# Altium PCB cat.PcbDoc (part 1 of 3) (continued)
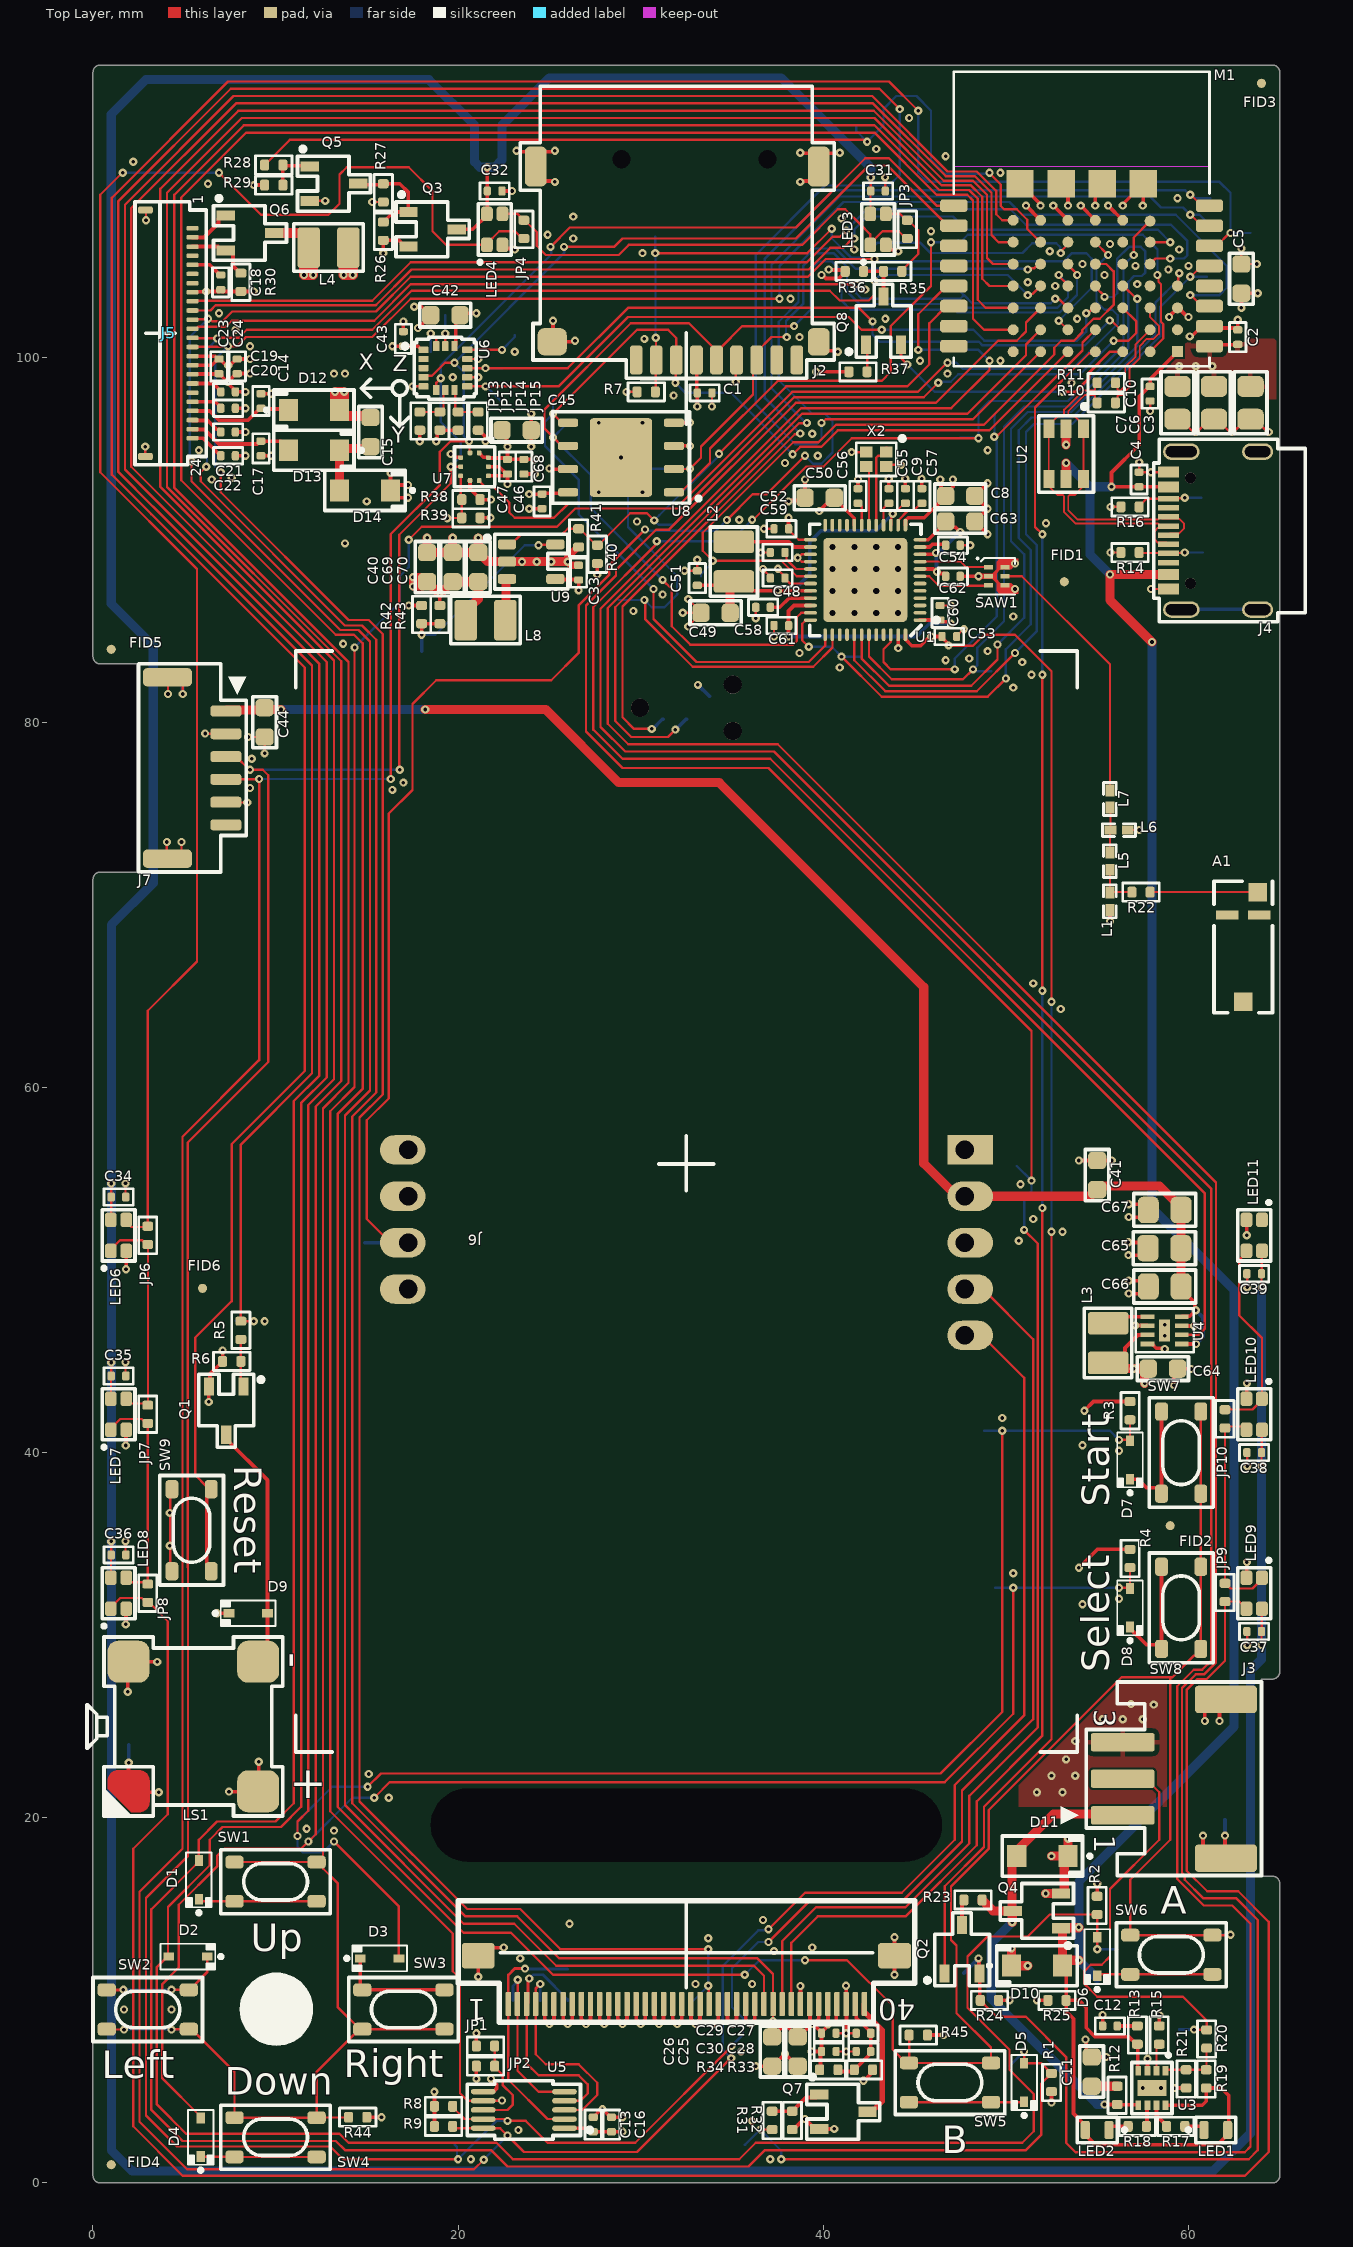
[diagram p0: Top Layer view]
## Footprints (in the part's own frame and the unit in brackets; to place one, negate y for a bottom-side part, rotate by r counter-clockwise, add the part's x,y. Pads: shape width x height; smd on the part's side, far side on the other; paste and mask are expansions set on the pad) (continued)
SON50P200X50_HS-9N [mm] "SON, 8-Leads, Body 2.00x2.00mm, Pitch 0.50mm, Thermal Pad 1.20x0.60mm, IPC Medium Density"
  rect 0.75x0.25 smd: 1(-0.94,0.75) 2(-0.94,0.25) 3(-0.94,-0.25) 4(-0.94,-0.75) 5(0.94,-0.75) 6(0.94,-0.25) 7(0.94,0.25) 8(0.94,0.75)
  rect 0.6x1.2 smd: EP(0,0)
  silkscreen extent -1.85,-1.2 1.59,1.2, body extent -1.03,-1.02 1.03,1.02, height 0.5
SON50P200X80_HS-9N [mm] "SON, 8-Leads, Body 2.00x2.00mm, Pitch 0.50mm, Thermal Pad 1.60x0.69mm, IPC Medium Density"
  rect 0.5x0.32 smd: 1(-0.945,0.75) 2(-0.945,0.25) 3(-0.945,-0.25) 4(-0.945,-0.75) 5(0.945,-0.75) 6(0.945,-0.25) 7(0.945,0.25) 8(0.945,0.75)
  rect 0.9x1.6 smd: EP(0,0)
  silkscreen extent -1.9,-1.1 1.4,1.1, body extent -1.05,-1.05 1.05,1.05, height 0.8
SOT95P280X110-6N [mm] "SOT23, 6-Leads, Body 2,90x2,80mm, Pitch 0,95mm, IPC Medium Density"
  rect 1x0.6 smd: 1(-1.375,0.95) 2(-1.375,0) 3(-1.375,-0.95) 4(1.375,-0.95) 5(1.375,0) 6(1.375,0.95)
  silkscreen extent -2.72,-1.5 2.1,1.5, body extent -0.88,-1.52 0.87,1.53, height 1.1
SOT95P280X115-3N [mm] "SOT23, 3-Leads, Body 2.92x2.80mm, Pitch 0.95mm, IPC Medium Density"
  rect 1x0.55 smd: 1(-1.325,0.95) 2(-1.325,-0.95) 3(1.325,0)
  silkscreen extent -2,-1.5 2,2.02, body extent -1.45,-1.49 1.45,1.49, height 1.15
SOT95P280X115-5N [mm] "SOT23, 5-Leads, Body 2.92x2.80mm, Pitch 0.95mm, IPC Medium Density"
  rrect50% 1x0.55 smd: 1(-1.325,0.95) 2(-1.325,0) 3(-1.325,-0.95) 4(1.325,-0.95) 5(1.325,0.95)
  silkscreen extent -2.52,-1.5 2,1.5, body extent -1.45,-1.49 1.45,1.49, height 1.15
TAG-Connect [mm] "Debug header"
  round 0.787 smd paste-1: 1(-1.27,-0.635) 2(-1.27,0.635) 3(0,-0.635) 4(0,0.635) 5(1.27,-0.635) 6(1.27,0.635)
  round 0.991 hole 0.991 unplated mask+0: ""(-2.54,0) ""(2.54,-1.27) ""(2.54,1.27)
test_point-1 [mm] "Test point"
  round 1 smd paste-1 mask+0: 1(0,0)
TF-115YY-BCP9 [mm] "Micro SD holder"
  rrect50% 0.7x1.6 smd: 1(2.25,6.5) 2(1.15,6.5) 3(0.05,6.5) 4(-1.05,6.5) 5(-2.15,6.5) 6(-3.25,6.5) 7(-4.35,6.5) 8(-5.45,6.5) CD(-6.55,6.5)
  rrect50% 1.2x1.5 smd: MP(-7.75,5.5)
  rrect50% 1.2x2.2 smd: MP(-7.75,-4.1) MP(7.75,-4.1)
  rrect50% 1.6x1.5 smd: MP(6.85,5.5)
  rrect50% 0x0 hole 1 unplated: ""(-4.95,-4.5) ""(3.05,-4.5)
  silkscreen extent -8.6,-8.5 8.6,7.5, body extent -8,-11.07 8.1,6.75, height 2.05
TSSOP50P490X112-10N [mm] "TSSOP, 10-Leads, Body 3.00x3.00mm, Pitch 0.50mm, IPC Medium Density"
  oval 1.35x0.3 smd: 1(-2.225,1) 2(-2.225,0.5) 3(-2.225,0) 4(-2.225,-0.5) 5(-2.225,-1) 6(2.225,-1) 7(2.225,-0.5) 8(2.225,0) 9(2.225,0.5) 10(2.225,1)
  silkscreen extent -3.73,-1.6 3.1,1.6, body extent -2.45,-1.55 2.45,1.55, height 1.12
USB_C_2.0_M12 [mm] "HRO M12/GCT 4105 USB-C 2.0 CONNECTOR"
  rect 0.6x1.14 smd: A1/B12(-3.2,3.5) A4/B9(-2.4,3.5) A9/B4(2.4,3.5) B1/A12(3.2,3.5)
  rect 0.3x1.14 smd: A5(-1.25,3.5) A6(-0.25,3.5) A7(0.25,3.5) A8(1.25,3.5) B5(1.75,3.5) B6(0.75,3.5) B7(-0.75,3.5) B8(-1.75,3.5)
  round 0.6 hole 0.6 unplated: MH(-2.89,2.29) MH(2.89,2.29)
  oval 0.9x1.7 hole 0.6 slot 1.4 at 90 deg: MP(-4.325,-1.39) MP(4.325,-1.39)
  oval 0.9x1.7 on Top Paste: MP(-4.325,-1.39) MP(4.325,-1.39)
  oval 0.9x2 hole 0.6 slot 1.7 at 90 deg: MP(-4.325,2.79) MP(4.325,2.79)
  oval 0.9x2 on Top Paste: MP(-4.325,2.79) MP(4.325,2.79)
  silkscreen extent -5,-4 5,4.3, body extent -4.48,-3.95 4.46,3.95, height 3.21
WDFN-8 [mm] "SON, 8-Leads, Body 6.00x5.00mm, Pitch 1.27mm, Thermal Pad 3.50x3.19mm, IPC Medium Density"
  rrect50% 1.1x0.45 smd: 1(-2.9,1.905) 2(-2.9,0.635) 3(-2.9,-0.635) 4(-2.9,-1.905) 5(2.9,-1.905) 6(2.9,-0.635) 7(2.9,0.635) 8(2.9,1.905)
  rrect10% 3.4x4.3 smd paste-2539.97: EP(0,0)
  silkscreen extent -4.3,-2.5 3.75,2.5, body extent -3,-2.5 3,2.5, height 0.81
XL-1615RGBC-WS2812B [mm] "RGB LED"
  rrect50% 0.8x0.65 smd: 1(-0.85,0.425) 2(0.85,0.425) 3(-0.85,-0.425) 4(0.85,-0.425)
  silkscreen extent -1.9,-0.9 1.4,0.9, body extent -0.8,-0.75 0.8,0.75, height 0.71

## Part data
A1: library part NN03-320, "Dual-Band GNSS and Wi-Fi/BluetoothAntenna", Manufacturer=Ignion, Part number IPS=N.A., Part number NEMS=100700066, Supplier Part Number 1=2115-NN03-320CT-ND, Artikkelnr Noca=N.A., Author=rubr, Component Class=Antennas, Component Status=Active, ComponentLink1Description=Datasheet, ComponentLink1URL=https://ignion.io/files/DS_NN03-320.pdf, ComponentLink2Description="Supplier link", ComponentLink2URL=https://ignion.io/product/duo-mxtend/, Footprint Doc=NN03-320, HelpURL=https://ignion.io/files/UM_NN03-320.pdf, LatestRevisionDate=2021-12-10, Manufacturer Part Number=NN03-320, Note=N.A., Pad Count=4, Part Number=NN03-320, Part number Norautron=N.A., PartId=100700066, Published=2023-01-31, Supplier 1=Digi-Key, Supplier 2=Mouser, Supplier Part Number 2=128-NN03-320
C1 C10 C16 C24 C27 C28 C29 C30 C31 C32 C34 C35 C36 C37 C38 C39 C43 C46 C47 C61 C62 C68: "100 nF, 25 V, X7R, 0402 Chip capacitor", Capacitance=100nF, Case Code (Imperial)=0402, Case Code (Metric)=1005, Dielectric=X7R, Dielectric Material=Ceramic, Manufacturer=Murata, Max Operating Temperature=125°C, Min Operating Temperature=-55°C, Package Quantity=10000, Supplier Part Number 1=490-10698-1-ND, Tolerance=10%, Voltage=25V, Case/Package=0402, Category="Ceramic Capacitors", ComponentLink1Description=http://www.farnell.com/datasheets/1872206.pdf?src-supplier=Farnell, ComponentLink1URL=http://www.farnell.com/datasheets/1872206.pdf?src-supplier=Farnell, ComponentLink2Description=http://components.arrow.com/part/dataview/0323_06361249?src-supplier=Arrow+Europe, ComponentLink2URL=http://components.arrow.com/part/dataview/0323_06361249?src-supplier=Arrow+Europe, ComponentLink3Description=http://uk.rs-online.com/webdocs/144c/0900766b8144c113.pdf?src-supplier=RSComponents, ComponentLink3URL=http://uk.rs-online.com/webdocs/144c/0900766b8144c113.pdf?src-supplier=RSComponents, ComponentLink4Description=http://www.farnell.com/datasheets/2048008.pdf?src-supplier=Farnell, ComponentLink4URL=http://www.farnell.com/datasheets/2048008.pdf?src-supplier=Farnell, ComponentLink5Description=http://www.mouser.com/ds/2/281/c02e-2905.pdf?src-supplier=Mouser, ComponentLink5URL=http://www.mouser.com/ds/2/281/c02e-2905.pdf?src-supplier=Mouser, ComponentLink6Description=http://www.farnell.com/datasheets/2048008.pdf?src-supplier=Newark, ComponentLink6URL=http://www.farnell.com/datasheets/2048008.pdf?src-supplier=Newark, ComponentLink7Description=https://search.murata.co.jp/Ceramy/image/img/A01X/G101/ENG/GRM155R71E104KE14-01.pdf?src-supplier=Digi-Key, ComponentLink7URL=https://search.murata.co.jp/Ceramy/image/img/A01X/G101/ENG/GRM155R71E104KE14-01.pdf?src-supplier=Digi-Key, ComponentLink8Description=http://www.farnell.com/datasheets/2048008.pdf?src-supplier=Element14, ComponentLink8URL=http://www.farnell.com/datasheets/2048008.pdf?src-supplier=Element14, ComponentLink9Description=http://psearch.en.murata.com/capacitor/product/GRM155R71E104KE14%23.pdf?src-supplier=Avnet, ComponentLink9URL=http://psearch.en.murata.com/capacitor/product/GRM155R71E104KE14%23.pdf?src-supplier=Avnet, Depth=0.5mm, Height=0.5mm, house_part_number=C-100nF-0402-002, Lead Free="Lead Free", Length=1mm, Manufacturer Part Number=GRM155R71E104KE14D, Mount="Surface Mount", Packaging="Tape and Reel", Pricing 1="1=0.10000, 10=0.02700, 50=0.01460, 100=0.01190, 500=0.00848, 1000=0.00666, 2500=0.00605, 5000=0.00557 (USD)", REACH SVHC=Unknown, Resistor Type=Ceramic, RoHS=Yes, RoHS Compliant=Yes, Supplier 1=Digi-Key, Termination=SMD/SMT, Thickness=0.022inch, Voltage Rating=25V, Voltage Rating (DC)=25V, Weight=0.000212oz, Width=0.02inch
C2 C4: "100 nF, 25 V, X7R, 0402 Chip capacitor", Capacitance=100nF, Case Code (Imperial)=0402, Case Code (Metric)=1005, Dielectric=X7R, Dielectric Material=Ceramic, Manufacturer=Murata, Max Operating Temperature=125°C, Min Operating Temperature=-55°C, Package Quantity=10000, Supplier Part Number 1=490-10698-1-ND, Tolerance=10%, Voltage Rating=25V, Case/Package=0402, Category="Ceramic Capacitors", ComponentLink1Description=http://www.farnell.com/datasheets/1872206.pdf?src-supplier=Farnell, ComponentLink1URL=http://www.farnell.com/datasheets/1872206.pdf?src-supplier=Farnell, ComponentLink2Description=http://components.arrow.com/part/dataview/0323_06361249?src-supplier=Arrow+Europe, ComponentLink2URL=http://components.arrow.com/part/dataview/0323_06361249?src-supplier=Arrow+Europe, ComponentLink3Description=http://uk.rs-online.com/webdocs/144c/0900766b8144c113.pdf?src-supplier=RSComponents, ComponentLink3URL=http://uk.rs-online.com/webdocs/144c/0900766b8144c113.pdf?src-supplier=RSComponents, ComponentLink4Description=http://www.farnell.com/datasheets/2048008.pdf?src-supplier=Farnell, ComponentLink4URL=http://www.farnell.com/datasheets/2048008.pdf?src-supplier=Farnell, ComponentLink5Description=http://www.mouser.com/ds/2/281/c02e-2905.pdf?src-supplier=Mouser, ComponentLink5URL=http://www.mouser.com/ds/2/281/c02e-2905.pdf?src-supplier=Mouser, ComponentLink6Description=http://www.farnell.com/datasheets/2048008.pdf?src-supplier=Newark, ComponentLink6URL=http://www.farnell.com/datasheets/2048008.pdf?src-supplier=Newark, ComponentLink7Description=https://search.murata.co.jp/Ceramy/image/img/A01X/G101/ENG/GRM155R71E104KE14-01.pdf?src-supplier=Digi-Key, ComponentLink7URL=https://search.murata.co.jp/Ceramy/image/img/A01X/G101/ENG/GRM155R71E104KE14-01.pdf?src-supplier=Digi-Key, ComponentLink8Description=http://www.farnell.com/datasheets/2048008.pdf?src-supplier=Element14, ComponentLink8URL=http://www.farnell.com/datasheets/2048008.pdf?src-supplier=Element14, ComponentLink9Description=http://psearch.en.murata.com/capacitor/product/GRM155R71E104KE14%23.pdf?src-supplier=Avnet, ComponentLink9URL=http://psearch.en.murata.com/capacitor/product/GRM155R71E104KE14%23.pdf?src-supplier=Avnet, Depth=0.5mm, Height=0.5mm, house_part_number=C-100nF-0402-002, Lead Free="Lead Free", Length=1mm, Manufacturer Part Number=GRM155R71E104KE14D, Mount="Surface Mount", Packaging="Tape and Reel", Pricing 1="1=0.10000, 10=0.02700, 50=0.01460, 100=0.01190, 500=0.00848, 1000=0.00666, 2500=0.00605, 5000=0.00557 (USD)", REACH SVHC=Unknown, Resistor Type=Ceramic, RoHS=Yes, RoHS Compliant=Yes, Supplier 1=Digi-Key, Termination=SMD/SMT, Thickness=0.022inch, Voltage Rating (DC)=25V, Weight=0.000212oz, Width=0.02inch
C3 C6 C7 C65 C66 C67: "22 μF, 25 V, X5R, 0805 Chip capacitor", Capacitor Type=Ceramic, Case/Package=0805, Manufacturer=Murata, Max Operating Temperature=85°C, Min Operating Temperature=-55°C, Package Shape=Rectangular, Rated DC Voltage (URdc)=25V, Supplier Part Number 1=490-12389-1-ND, Temperature Characteristics Code=X5R, Tolerance  (fill in as +-)=20%, Category="Ceramic Capacitors", ComponentLink1Description=https://datasheet.ciiva.com:443/pdfs/VipMasterIC/IC/MURE/MURE-S-A0004410517/MURE-S-A0004413512-1.pdf?src-supplier=IHS+Markit, ComponentLink1URL=https://datasheet.ciiva.com:443/pdfs/VipMasterIC/IC/MURE/MURE-S-A0004410517/MURE-S-A0004413512-1.pdf?src-supplier=IHS+Markit, ComponentLink2Description=http://search.murata.co.jp/Ceramy/image/img/A01X/G101/ENG/GRT21BR61E226ME13-01.pdf?src-supplier=Digi-Key, ComponentLink2URL=http://search.murata.co.jp/Ceramy/image/img/A01X/G101/ENG/GRT21BR61E226ME13-01.pdf?src-supplier=Digi-Key, Dielectric Material=Ceramic, JESD-609 Code=e3, Manufacturer Part Number=GRT21BR61E226ME13L, Mounting Technology="Surface Mount", Multilayer=Yes, Packaging="Tape and Reel", Pins=2, Pricing 1="1=0.48, 10=0.338, 50=0.2558, 100=0.2228, 500=0.16508, 1000=0.14031 (USD)", Reach SVHC Compliant=Yes, Reference Standard=AEC-Q200, RoHS=Yes, RoHS Compliant=Yes, Stock 1=1983731, Supplier 1=Digi-Key, Terminal Finish=Nickel, Termination=Wraparound, Tolerance (fill in as +-)=20%
C5 C11 C25 C26 C40 C41 C42 C44 C45 C69 C70: "10 µF, 25 V, X5R, 0603 Chip capacitor", Case Code (Imperial)=0603, Case Code (Metric)=1608, Manufacturer=Samsung, Max Operating Temperature=85°C, Min Operating Temperature=-55°C, Tolerance=20%, Voltage Rating=25V, Case/Package=0603, Category="Ceramic Capacitors", ComponentLink1Description=https://datasheet.ciiva.com/25766/cl10a106ma8nrnc-25766562.pdf?src-supplier=Digikey, ComponentLink1URL=https://datasheet.ciiva.com/25766/cl10a106ma8nrnc-25766562.pdf?src-supplier=Digikey, Height=900um, house_part_number=C-10uF-0603-002, Lead Free="Lead Free", Manufacturer Part Number=CL10A106MA8NRNC, Material=4241ConductorMaterial, Mounting Technology="Surface Mount", Packaging="Cut Tape", Pricing="4000=0.0511, 8000=0.046, 12000=0.0434, 28000=0.0413, 100000=0.0356 (USD)", RoHS=Yes, RoHS Compliant=Yes, Series=CL, Stock=632000, Supplier 1="Arrow Electronics", Supplier Part Number 1=CL10A106MA8NRNC
C8 C15 C49 C50 C63 C64: "4.7 μF, 25 V, X7R, 0603 Chip capacitor", Case Code (Imperial)=0603, Case Code (Metric)=1608, Dielectric=X5R, Dielectric Material=Ceramic, Manufacturer=TDK, Max Operating Temperature=85°C, Min Operating Temperature=-55°C, Package Quantity=4000, Supplier Part Number=445-9050-1-ND, Tolerance=10%, Voltage Rating=25V, Case/Package=0603, Category="Ceramic Capacitors", ComponentLink1Description=https://datasheet.ciiva.com/48671/mlcc-commercial-general-en-48671304.pdf?src-supplier=Avnet, ComponentLink1URL=https://datasheet.ciiva.com/48671/mlcc-commercial-general-en-48671304.pdf?src-supplier=Avnet, ComponentLink2Description=https://datasheet.ciiva.com/24216/mlcc-commercial-general-en-24216326.pdf?src-supplier=Mouser, ComponentLink2URL=https://datasheet.ciiva.com/24216/mlcc-commercial-general-en-24216326.pdf?src-supplier=Mouser, ComponentLink3Description=https://datasheet.ciiva.com/48587/6print-detail-pdf-phplangenpart-noc1608x5r1e475k080acimp-unit-xmhz-48587141.pdf?src-supplier=Onlinecomponents.com, ComponentLink3URL=https://datasheet.ciiva.com/48587/6print-detail-pdf-phplangenpart-noc1608x5r1e475k080acimp-unit-xmhz-48587141.pdf?src-supplier=Onlinecomponents.com, Construction=Flat, Depth=0.8mm, Height=0.8mm, Lead Free="Lead Free", Length=1.6mm, Manufacturer Part Number=C1608X5R1E475K080AC, Material=Ceramic, Mounting Technology="Surface Mount", Packaging="Tape and Reel", Pricing="1=0.16, 10=0.104, 50=0.0732, 100=0.0592, 500=0.04396, 1000=0.03847, 4000=0.03389, 8000=0.03225 (USD)", Reach SVHC Compliant=Unknown, RoHS=Yes, RoHS Compliant=Yes, Series=C, Stock=1983872, Supplier=Digikey, Termination=SMD/SMT, Thickness=0.039inch, Voltage Rating (DC)=25V, Weight=7.1E-05oz, Width=0.031inch
C9 C54: "470 nF, 10 V, X7S, 0402 Chip capacitor", Capacitance=470nF, Case/Package=0402, Manufacturer=Samsung, Supplier Part Number=1276-CL05Y474KP5VPJCCT-ND, Voltage Rating=10V, Category="Ceramic Capacitors", Manufacturer Part Number=CL05Y474KP5VPJC, Pricing="1=0.23, 10=0.15, 50=0.105, 100=0.0848, 500=0.06298, 1000=0.0551, 2500=0.05248, 5000=0.04854 (USD)", RoHS=No, Stock=27105, Supplier=Digikey
C12 C33: "4.7 µF, 10 V, X5R, 0402 Chip capacitor", Case Code (Imperial)=0402, Case Code (Metric)=1005, Dielectric=X5R, Manufacturer=Samsung, Max Operating Temperature=85°C, Min Operating Temperature=-55°C, Package Quantity=1, Supplier Part Number 1=1276-1480-1-ND, Tolerance=10%, Voltage Rating=10V, Case/Package=0402, Category="Ceramic Capacitors", ComponentLink1Description=https://datasheet.ciiva.com/25724/cl05a475kp5nrnc-25724404.pdf?src-supplier=Digikey, ComponentLink1URL=https://datasheet.ciiva.com/25724/cl05a475kp5nrnc-25724404.pdf?src-supplier=Digikey, ComponentLink2Description=https://datasheet.ciiva.com/29198/458873-da-01-en-vs-kondensator-0402-29198304.pdf?src-supplier=Conrad, ComponentLink2URL=https://datasheet.ciiva.com/29198/458873-da-01-en-vs-kondensator-0402-29198304.pdf?src-supplier=Conrad, Construction=Flat, Depth=0.5mm, Height=0.5mm, house_part_number=C-4.7uF-0402-002, Lead Free="Lead Free", Length=1mm, Manufacturer Part Number=CL05A475KP5NRNC, Material=Ceramic, Mounting Technology="Surface Mount", Packaging="Tape and Reel", Pricing="1=0.28, 10=0.184, 50=0.129, 100=0.1042, 500=0.0774, 1000=0.06772, 2500=0.0645, 5000=0.05966 (USD)", Radiation Hardening=No, RoHS=Yes, RoHS Compliant=Yes, Series=CL, Stock=606274, Supplier 1=Digikey, Thickness=0.022inch, Width=0.02inch
C13 C14 C17 C18 C19 C20 C21 C22 C23 C48 C56 C58: "1 µF, 25 V, X5R, 0402 Chip capacitor", Capacitance=1µF, Capacitor Type=Ceramic, Manufacturer=Murata, Max Operating Temperature=85°C, Min Operating Temperature=-55°C, Negative Tolerance=10%, Package Shape=Rectangular, Package Style=SMTMeter, Supplier Part Number 1=490-10017-1-ND, Temperature Characteristics Code=X5R, Voltage=25V, Category="Ceramic Capacitors", ComponentLink1Description=https://datasheet.ciiva.com:443/pdfs/VipMasterIC/IC/MURE/MURE-S-A0004362469/MURE-S-A0004364524-1.pdf?src-supplier=IHS+Markit, ComponentLink1URL=https://datasheet.ciiva.com:443/pdfs/VipMasterIC/IC/MURE/MURE-S-A0004362469/MURE-S-A0004364524-1.pdf?src-supplier=IHS+Markit, ComponentLink2Description=https://datasheet.ciiva.com/7719/1666664-7719006.pdf?src-supplier=Element14, ComponentLink2URL=https://datasheet.ciiva.com/7719/1666664-7719006.pdf?src-supplier=Element14, ComponentLink3Description=https://datasheet.ciiva.com/22732/1666664-22732122.pdf?src-supplier=Element14, ComponentLink3URL=https://datasheet.ciiva.com/22732/1666664-22732122.pdf?src-supplier=Element14, Dielectric Material=Ceramic, Height=0.5mm, house_part_number=C-1uF-0402-002, JESD-609 Code=e3, Length=1mm, Manufacturer Part Number=GRM155R61E105KA12D, Mount="Surface Mount", Multilayer=Yes, Number of Pins=2, Packaging="Tape and Reel", Positive Tolerance=10%, Pricing 1="1=0.11000, 10=0.08300, 50=0.04560, 100=0.03720, 500=0.02656, 1000=0.02087, 2500=0.01898, 5000=0.01746 (USD)", REACH SVHC=Yes, RoHS=Yes, RoHS Compliant=Yes, Size Code=0402, Stock 1=145965, Supplier 1=Digi-Key, Terminal Finish=Nickel, Termination=Wraparound, Width=0.5mm
C51: "220 nF, 16 V, X7R, 0402 Chip capacitor", Case Code (Imperial)=0402, Case Code (Metric)=1005, Dielectric=X7R, Manufacturer=Murata, Max Operating Temperature=125°C, Min Operating Temperature=-55°C, Package Quantity=10000, Ratings=AEC-Q200, Supplier Part Number=7050660, Tolerance=10%, Voltage Rating=16V, Case/Package=0402, Category="Ceramic Capacitors", ComponentLink1Description=http://www.mouser.com/ds/2/281/c03e-806517.pdf?src-supplier=Mouser, ComponentLink1URL=http://www.mouser.com/ds/2/281/c03e-806517.pdf?src-supplier=Mouser, ComponentLink2Description=http://search.murata.co.jp/Ceramy/image/img/A01X/partnumbering_e_02.pdf?src-supplier=Digikey, ComponentLink2URL=http://search.murata.co.jp/Ceramy/image/img/A01X/partnumbering_e_02.pdf?src-supplier=Digikey, ComponentLink3Description=https://datasheet.octopart.com/GCM155R71C224KE02D-Murata-datasheet-32042419.pdf?src-supplier=Future+Electronics, ComponentLink3URL=https://datasheet.octopart.com/GCM155R71C224KE02D-Murata-datasheet-32042419.pdf?src-supplier=Future+Electronics, ComponentLink4Description=https://datasheet.octopart.com/GCM155R71C224KE02D-Murata-datasheet-149522429.pdf?src-supplier=Newark, ComponentLink4URL=https://datasheet.octopart.com/GCM155R71C224KE02D-Murata-datasheet-149522429.pdf?src-supplier=Newark, ComponentLink5Description=https://datasheet.octopart.com/GCM155R71C224KE02D-Murata-datasheet-12511495.pdf?src-supplier=TME, ComponentLink5URL=https://datasheet.octopart.com/GCM155R71C224KE02D-Murata-datasheet-12511495.pdf?src-supplier=TME, Height=0.5mm, Lead Free="Lead Free", Length=0.039inch, Manufacturer Part Number=GCM155R71C224KE02D, Material=Ceramic, Mounting Technology="Surface Mount", Packaging="Tape and Reel", Pricing="10000=0.0082, 30000=0.0079, 50000=0.0078, 150000=0.0076, 250000=0.0074 (USD)", RoHS=Yes, RoHS Compliant=Yes, Series=GCM, Stock=80000, Supplier="Future Electronics", Termination=SMD/SMT, Thickness=0.022inch, Voltage Rating (DC)=16V, Weight=0.000212oz, Width=0.02inch
C52 C53 C55 C60: "2.2 µF, 16 V, X7T, 0402 Chip capacitor", Case/Package=0402, Dielectric=X7T, Manufacturer=Murata, Max Operating Temperature=125°C, Min Operating Temperature=-55°C, Supplier Part Number=9135167, Tolerance=20%, Voltage Rating=16V, Category="Ceramic Capacitors", ComponentLink1Description=https://datasheet.octopart.com/GRM155D71C225ME11D-Murata-datasheet-165579666.pdf?src-supplier=TME, ComponentLink1URL=https://datasheet.octopart.com/GRM155D71C225ME11D-Murata-datasheet-165579666.pdf?src-supplier=TME, Height=650um, Length=1mm, Manufacturer Part Number=GRM155D71C225ME11D, Material=Ceramic, Pricing="10000=0.0274, 20000=0.027, 30000=0.0267, 40000=0.0266, 50000=0.026 (USD)", RoHS=Yes, RoHS Compliant=Yes, Stock=10000, Supplier="Future Electronics", Thickness=500um, Voltage Rating (DC)=16V, Width=500um
C57: "22 nF, 16 V, X7R, 0402 Chip capacitor", Case Code (Imperial)=0402, Case Code (Metric)=1005, Dielectric=X7R, Manufacturer=KEMET, Max Operating Temperature=125°C, Min Operating Temperature=-55°C, Ratings=AEC-Q200, Supplier Part Number=80-C0402C223K4RECAUT, Tolerance=10%, Voltage Rating=16V, Case/Package=0402, Category="Ceramic Capacitors", ComponentLink1Description=https://api.kemet.com/component-edge/download/datasheet/C0402C223K4RECAUTO.pdf?src-supplier=Digikey, ComponentLink1URL=https://api.kemet.com/component-edge/download/datasheet/C0402C223K4RECAUTO.pdf?src-supplier=Digikey, ComponentLink2Description=https://datasheet.octopart.com/C0402C223K4RECAUTO-KEMET-datasheet-153706760.pdf?src-supplier=Electro+Sonic, ComponentLink2URL=https://datasheet.octopart.com/C0402C223K4RECAUTO-KEMET-datasheet-153706760.pdf?src-supplier=Electro+Sonic, Manufacturer Part Number=C0402C223K4RECAUTO, Mounting Technology="Surface Mount", Packaging="Cut Tape", Pricing="1=0.13, 10=0.054, 50=0.054, 100=0.031, 1000=0.027, 10000=0.023 (USD)", RoHS=Yes, RoHS Compliant=Yes, Series=C, Stock=25248, Supplier=Mouser, Voltage Rating (DC)=16V
C59: "10 nF, 25 V, X7R, 0402 Chip capacitor", Capacitance=10nF, Case Code (Imperial)=0402, Case Code (Metric)=1005, Dielectric=X7R, Manufacturer=Samsung, Max Operating Temperature=125°C, Min Operating Temperature=-55°C, Package Quantity=1, Supplier Part Number 1=1276-1057-2-ND, Tolerance=10%, Voltage Rating=25V, Case/Package=0402, Category="Ceramic Capacitors", ComponentLink1Description=https://datasheet.ciiva.com/15195/getdatasheetpartid-358612-15195635.pdf?src-supplier=Verical, ComponentLink1URL=https://datasheet.ciiva.com/15195/getdatasheetpartid-358612-15195635.pdf?src-supplier=Verical, ComponentLink2Description=https://datasheet.ciiva.com/16740/cl05b104kq5nnnc-16740683.pdf?src-supplier=Future+Electronics, ComponentLink2URL=https://datasheet.ciiva.com/16740/cl05b104kq5nnnc-16740683.pdf?src-supplier=Future+Electronics, Construction=Flat, Contact Plating=Tin, Depth=0.5mm, Height=0.5mm, house_part_number=C-10nF-0402-002, Length=1mm, Manufacturer Part Number=CL05B103KA5NNNC, Mount="Surface Mount", Packaging="Tape and Reel", Pricing 1="10000=0.00328, 20000=0.00312, 30000=0.00297, 50000=0.00266, 100000=0.00215, 250000=0.00195 (USD)", Radiation Hardening=No, RoHS=Yes, RoHS Compliant=Yes, Series=CL, Stock 1=2318300, Supplier 1=Digi-Key, Thickness=0.022inch, Width=0.02inch
D1 D2 D3 D4 D5 D6 D7 D8 D9: "1.25 V, 100 V max, 150 mA, 4 ns diode, SOD-323", Forward Voltage=1.25V, Manufacturer=Nexperia, Max Operating Temperature=150°C, Max Output current=250mA, Max Power Dissipation=400mW, Max Reverse Current=1uA, Non-rep Pk Forward Current-Max=4A, Package=SOD-323, Package Body Material=Plastic, Package Shape=Rectangular, Package Style="SMALL OUTLINEMeter", Peak Reflow Temperature (Cel)=260°C, Rep Pk Reverse Voltage-Max=85V, Supplier Part Number 1=C109218, Time @ Peak Reflow Temperature-Max (s)=40s, Category="Rectifier Diodes", ComponentLink1Description=https://datasheet.ciiva.com:443/pdfs/VipMasterIC/IC/PHGL/PHGL-S-A0000133609/PHGL-S-A0000133609-1.pdf?src-supplier=IHS+Markit, ComponentLink1URL=https://datasheet.ciiva.com:443/pdfs/VipMasterIC/IC/PHGL/PHGL-S-A0000133609/PHGL-S-A0000133609-1.pdf?src-supplier=IHS+Markit, ComponentLink2Description=http://www.farnell.com/datasheets/1856332.pdf?src-supplier=Farnell, ComponentLink2URL=http://www.farnell.com/datasheets/1856332.pdf?src-supplier=Farnell, ComponentLink3Description=https://datasheet.octopart.com/BAS316%2C115-Nexperia-datasheet-32749520.pdf?src-supplier=Element14, ComponentLink3URL=https://datasheet.octopart.com/BAS316%2C115-Nexperia-datasheet-32749520.pdf?src-supplier=Element14, ComponentLink4Description=https://datasheet.octopart.com/BAS316%2C115-Nexperia-datasheet-77871323.pdf?src-supplier=Future+Electronics, ComponentLink4URL=https://datasheet.octopart.com/BAS316%2C115-Nexperia-datasheet-77871323.pdf?src-supplier=Future+Electronics, ComponentLink5Description=https://assets.nexperia.com/documents/data-sheet/BAS16_SER.pdf?src-supplier=Digikey, ComponentLink5URL=https://assets.nexperia.com/documents/data-sheet/BAS16_SER.pdf?src-supplier=Digikey, ComponentLink6Description=http://www.farnell.com/datasheets/1856332.pdf?src-supplier=Newark, ComponentLink6URL=http://www.farnell.com/datasheets/1856332.pdf?src-supplier=Newark, ComponentLink7Description=https://datasheet.octopart.com/BAS316%2C115-NXP-datasheet-5319124.pdf?src-supplier=TME, ComponentLink7URL=https://datasheet.octopart.com/BAS316%2C115-NXP-datasheet-5319124.pdf?src-supplier=TME, Diode Element Material=SILICON, Diode Type=RECTIFIER, JESD-30 Code=R-PDSO-G2, JESD-609 Code=e3, Manufacturer Part Number=BAS316,115, Moisture Sensitivity Level=1, Number of Elements=1, Pins=2, Pricing 1="50=0.0098, 500=0.0076, 3000=0.0067, 6000=0.0058, 24000=0.0055, 51000=0.0053 (USD)", Qualification Status="Not Qualified", Reach SVHC Compliant=Yes, Reference Standard=AEC-Q101, Reverse Recovery Time-Max=0.004us, RoHS=Yes, RoHS Compliant=Yes, Stock 1=292660, Supplier 1=LCSC, Surface Mount=Yes, Terminal Finish=Tin, Terminal Form="Gull Wing", Terminal Position=DUAL
D10 D11: "40 V, 3 A Schottky Rectifier, SOD-123FA", Average Rectified Current=3A, Case/Package=SOD-123W, Manufacturer="ON Semiconductor / Fairchild", Max Forward Surge Current (Ifsm)=80A, Max Repetitive Reverse Voltage (Vrrm)=40V, Supplier Part Number=01AC9736, Supplier Part Number 1=C719833, Category="Schottky Diodes", ComponentLink1Description=http://www.farnell.com/datasheets/2552647.pdf?src-supplier=Farnell, ComponentLink1URL=http://www.farnell.com/datasheets/2552647.pdf?src-supplier=Farnell, ComponentLink2Description=http://www.mouser.com/ds/2/149/SS34FA-1012641.pdf?src-supplier=Mouser, ComponentLink2URL=http://www.mouser.com/ds/2/149/SS34FA-1012641.pdf?src-supplier=Mouser, ComponentLink3Description=http://www.farnell.com/datasheets/2552647.pdf?src-supplier=Element14, ComponentLink3URL=http://www.farnell.com/datasheets/2552647.pdf?src-supplier=Element14, ComponentLink4Description=http://www.farnell.com/datasheets/2552647.pdf?src-supplier=Newark, ComponentLink4URL=http://www.farnell.com/datasheets/2552647.pdf?src-supplier=Newark, ComponentLink5Description=https://www.fairchildsemi.com/datasheets/SS/SS34FA.pdf?src-supplier=Digikey, ComponentLink5URL=https://www.fairchildsemi.com/datasheets/SS/SS34FA.pdf?src-supplier=Digikey, ComponentLink6Description=https://www.onsemi.com/pub/Collateral/SS36FA-D.PDF?src-supplier=Digikey, ComponentLink6URL=https://www.onsemi.com/pub/Collateral/SS36FA-D.PDF?src-supplier=Digikey, ComponentLink7Description=https://datasheet.octopart.com/SS34FA-ON-Semiconductor-datasheet-137713515.pdf?src-supplier=TME, ComponentLink7URL=https://datasheet.octopart.com/SS34FA-ON-Semiconductor-datasheet-137713515.pdf?src-supplier=TME, Element Configuration=Single, house_part_number=D-SCHOTTKY-3A-SOD123F-002, Manufacturer Part Number=SS34FA, Max Reverse Voltage (DC)=40V, Mounting Technology="Surface Mount", Packaging="Cut Tape", Pricing="1=0.469, 25=0.4, 50=0.341, 100=0.281, 250=0.251 (USD)", RoHS=Yes, RoHS Compliant=Yes, Series="Automotive, AEC-Q101", Stock=2402, Supplier=Avnet, Supplier 1=LCSC, Weight=0.019g
D12 D13 D14: library part SS2040FL_R1_00001, "Schottky-diode 2A 40V SOD123FL", Case/Package=SOD-123FL, Manufacturer="Pan Jit", Max Operating Temperature=125°C, Max Repetitive Reverse Voltage (Vrrm)=40V, Max Reverse Current=500uA, Min Operating Temperature=-50°C, Peak Non-Repetitive Surge Current=50A, Supplier Part Number=241-SS2040FLR100001, Category="Rectifier Diodes", ComponentLink1Description=http://www.panjit.com/upload/product/5/SS2020FL_SERIES.pdf?src-supplier=Avnet, ComponentLink1URL=http://www.panjit.com/upload/product/5/SS2020FL_SERIES.pdf?src-supplier=Avnet, Manufacturer Part Number=SS2040FL_R1_00001, Mounting Technology="Surface Mount", Pins=2, Pricing="1=0.19, 10=0.117, 50=0.117, 100=0.061, 1000=0.06, 10000=0.059 (USD)", RoHS=Yes, RoHS Compliant=Yes, Stock=196343, Supplier=Mouser
FID1 FID2 FID3 FID4 FID5 FID6: "0.5mm diameter round fiducial", house_part_number=Disc-0.5
J1: library part TAG_CONN_CTX, "Mates with TC-2030-CTX-NL", house_part_number=type-value-case-grade
J2: library part TF-115YY-BCP9, "Micro SD card holder", Manufacturer=Xunpu, Supplier Part Number 1=C5374810, Category=Uncategorized, house_part_number=TF-115YY-BCP9, Manufacturer Part Number=TF-115YY-BCP9, Pricing 1="10=0.0587, 100=0.0477, 300=0.0423, 1000=0.0382, 5000=0.035, 10000=0.0334 (USD)", RoHS=No, Stock 1=3100, Supplier 1=LCSC
J3: library part S3B-PH-SM4-TB(LF)(SN), "3-Pin JST-PH connector, 2mm pitch, right-angle SMD", Color=Natural,White, Contact Resistance=10mR, Current Rating=2A, Flammability Rating="UL94 V-0", Housing Color=Beige, Insulation Color=Natural, Insulation Resistance=1GR, Manufacturer=JST, Max Operating Temperature=85°C, Max Voltage Rating (AC)=100V, Min Operating Temperature=-25°C, Supplier Part Number 1=C265101, Category="Headers and Wire Housings", ComponentLink1Description=https://datasheet.ciiva.com/11748/0900766b80df0d9d-11748720.pdf?src-supplier=Rs, ComponentLink1URL=https://datasheet.ciiva.com/11748/0900766b80df0d9d-11748720.pdf?src-supplier=Rs, ComponentLink2Description=https://datasheet.ciiva.com/712/eph-712555.pdf?src-supplier=Digikey, ComponentLink2URL=https://datasheet.ciiva.com/712/eph-712555.pdf?src-supplier=Digikey, ComponentLink3Description=https://datasheet.ciiva.com/712/eph-712554.pdf?src-supplier=Digikey, ComponentLink3URL=https://datasheet.ciiva.com/712/eph-712554.pdf?src-supplier=Digikey, ComponentLink4Description=https://datasheet.ciiva.com/712/eph-712556.pdf?src-supplier=Digikey, ComponentLink4URL=https://datasheet.ciiva.com/712/eph-712556.pdf?src-supplier=Digikey, ComponentLink5Description=https://datasheet.ciiva.com/8052/80594-8052219.pdf?src-supplier=Element14, ComponentLink5URL=https://datasheet.ciiva.com/8052/80594-8052219.pdf?src-supplier=Element14, ComponentLink6Description=https://datasheet.ciiva.com/22693/80594-22693485.pdf?src-supplier=Element14, ComponentLink6URL=https://datasheet.ciiva.com/22693/80594-22693485.pdf?src-supplier=Element14, Connector Type=Header, Contact Finish - Mating=TIN, Contact Material="Copper Alloy,Tin,Bronze,Brass", Contact Mating Length=0.13inch, Contact Plating=Tin,Copper, Contact Shape=Square, Contact Type="Male Pin", Depth=7.6mm, Fastening Type=Detent, Gender=Male, Height=9.4mm, house_part_number=S3B-PH-SM4-TB(LF)(SN), Housing Material=Polyamide, Insulation Material=Nylon, Lead Free=5697LeadFree, Lead Pitch=2mm, Length=9.9mm, Manufacturer Part Number=S3B-PH-SM4-TB(LF)(SN), Material=Polyamide, Max Current Rating=2A, Max Voltage Rating (DC)=100V, Mounting Technology="Surface Mount", Number of Contacts=3, Number of Poles=3, Number of Positions=3, Number of Rows=1, Orientation="Right Angle", Packaging="Tape and Reel", Pitch=2mm, Pricing 1="5=0.223, 50=0.1765, 150=0.1538, 1000=0.1202, 2000=0.1152, 5000=0.1122 (USD)", Reach SVHC Compliant=No, RoHS=Yes, Series=PH, Stock 1=30540, Supplier 1=LCSC, Termination=Solder, Voltage Rating=100V, Voltage Rating (AC)=100V, Voltage Rating (DC)=100V, Weight=28.349523g, Width=5mm, Working Voltage=100V